# Altium PCB PCB2.PcbDoc (part 4 of 16)
Units mil, origin at the board's own origin, x right, y up, seen from the top; angles counter-clockwise.
Board outline 9200.79 x 4350.6 mil, 4 copper layers (Top Layer, Layer 1, Layer 2, Bottom Layer), stack 23.756 mil thick; 1249 components, 1355 nets, 4549 pads, 1316 vias.
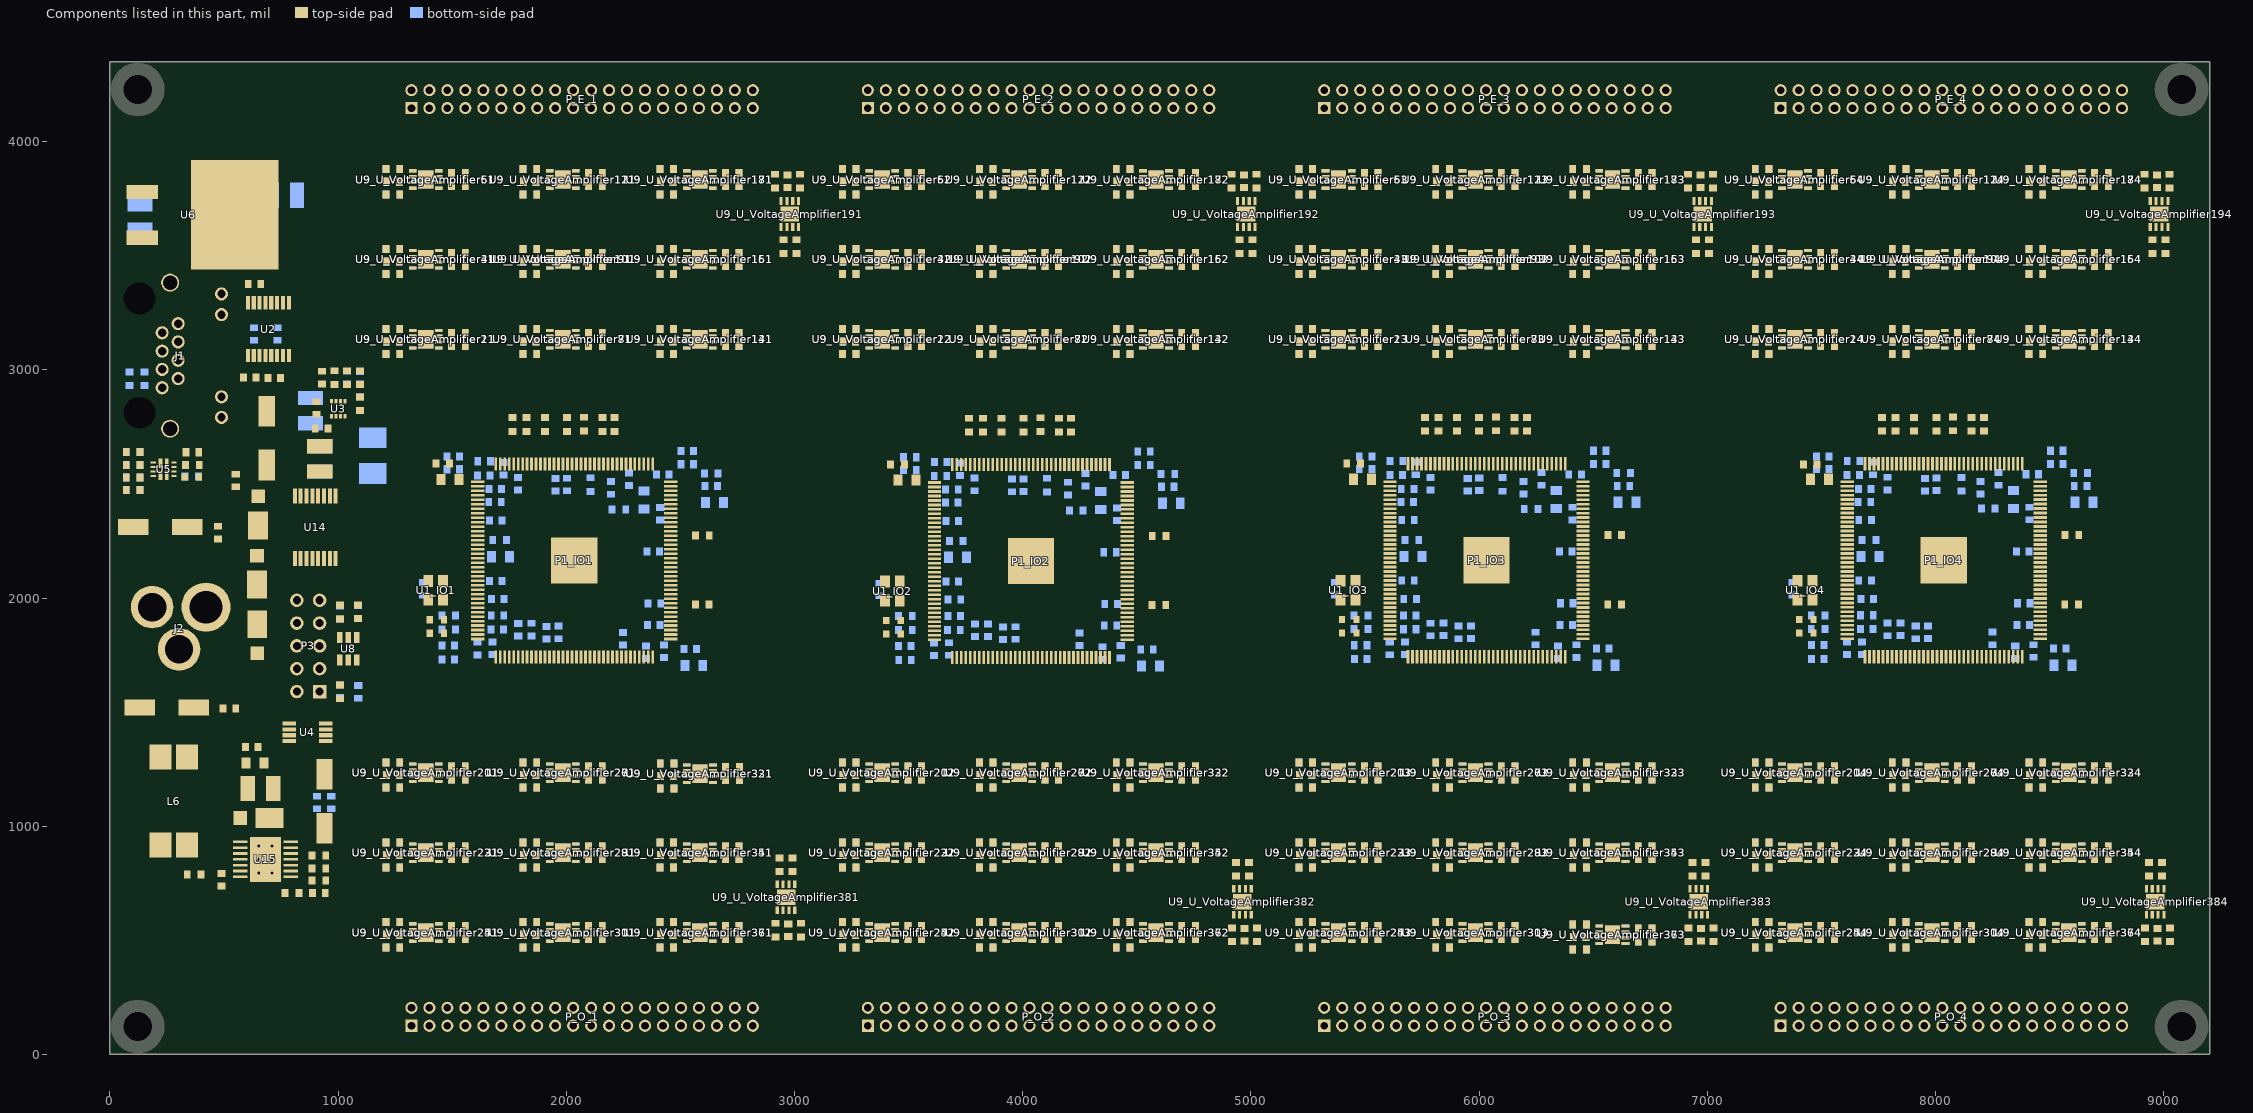
[diagram p6: the components of this part, seen from the top]

## Components (designator, comment, footprint, x,y, rotation, side; value= is the part's Value field where it differs from the comment) (continued)
R28_U_VoltageAmplifier131 "1K" 0603R 2727.09,3162.18 r0 top (schematic designator R28)
R28_U_VoltageAmplifier132 "1K" 0603R 4727.09,3162.18 r0 top (schematic designator R28)
R28_U_VoltageAmplifier133 "1K" 0603R 6727.09,3162.18 r0 top (schematic designator R28)
R28_U_VoltageAmplifier134 "1K" 0603R 8727.09,3162.18 r0 top (schematic designator R28)
R28_U_VoltageAmplifier141 "1K" 0603R 2727.09,3105.18 r0 bottom (schematic designator R28)
R28_U_VoltageAmplifier142 "1K" 0603R 4727.09,3105.18 r0 bottom (schematic designator R28)
R28_U_VoltageAmplifier143 "1K" 0603R 6727.09,3105.18 r0 bottom (schematic designator R28)
R28_U_VoltageAmplifier144 "1K" 0603R 8727.09,3105.18 r0 bottom (schematic designator R28)
R28_U_VoltageAmplifier151 "1K" 0603R 2727.09,3512.18 r0 top (schematic designator R28)
R28_U_VoltageAmplifier152 "1K" 0603R 4727.09,3512.18 r0 top (schematic designator R28)
R28_U_VoltageAmplifier153 "1K" 0603R 6727.09,3512.18 r0 top (schematic designator R28)
R28_U_VoltageAmplifier154 "1K" 0603R 8727.09,3512.18 r0 top (schematic designator R28)
R28_U_VoltageAmplifier161 "1K" 0603R 2727.09,3455.18 r0 bottom (schematic designator R28)
R28_U_VoltageAmplifier162 "1K" 0603R 4727.09,3455.18 r0 bottom (schematic designator R28)
R28_U_VoltageAmplifier163 "1K" 0603R 6727.09,3455.18 r0 bottom (schematic designator R28)
R28_U_VoltageAmplifier164 "1K" 0603R 8727.09,3455.18 r0 bottom (schematic designator R28)
R28_U_VoltageAmplifier171 "1K" 0603R 2727.09,3862.18 r0 top (schematic designator R28)
R28_U_VoltageAmplifier172 "1K" 0603R 4727.09,3862.18 r0 top (schematic designator R28)
R28_U_VoltageAmplifier173 "1K" 0603R 6727.09,3862.18 r0 top (schematic designator R28)
R28_U_VoltageAmplifier174 "1K" 0603R 8727.09,3862.18 r0 top (schematic designator R28)
R28_U_VoltageAmplifier181 "1K" 0603R 2727.09,3805.18 r0 bottom (schematic designator R28)
R28_U_VoltageAmplifier182 "1K" 0603R 4727.09,3805.18 r0 bottom (schematic designator R28)
R28_U_VoltageAmplifier183 "1K" 0603R 6727.09,3805.18 r0 bottom (schematic designator R28)
R28_U_VoltageAmplifier184 "1K" 0603R 8727.09,3805.18 r0 bottom (schematic designator R28)
R28_U_VoltageAmplifier191 "1K" 0603R 3007.85,3539.76 r270 top (schematic designator R28)
R28_U_VoltageAmplifier192 "1K" 0603R 5007.85,3539.76 r270 top (schematic designator R28)
R28_U_VoltageAmplifier193 "1K" 0603R 7007.85,3539.76 r270 top (schematic designator R28)
R28_U_VoltageAmplifier194 "1K" 0603R 9007.85,3539.76 r270 top (schematic designator R28)
R28_U_VoltageAmplifier201 "1K" 0603R 1527.09,1262.18 r0 top (schematic designator R28)
R28_U_VoltageAmplifier202 "1K" 0603R 3527.09,1262.18 r0 top (schematic designator R28)
R28_U_VoltageAmplifier203 "1K" 0603R 5527.09,1262.18 r0 top (schematic designator R28)
R28_U_VoltageAmplifier204 "1K" 0603R 7527.09,1262.18 r0 top (schematic designator R28)
R28_U_VoltageAmplifier211 "1K" 0603R 1527.09,1205.18 r0 bottom (schematic designator R28)
R28_U_VoltageAmplifier212 "1K" 0603R 3527.09,1205.18 r0 bottom (schematic designator R28)
R28_U_VoltageAmplifier213 "1K" 0603R 5527.09,1205.18 r0 bottom (schematic designator R28)
R28_U_VoltageAmplifier214 "1K" 0603R 7527.09,1205.18 r0 bottom (schematic designator R28)
R28_U_VoltageAmplifier221 "1K" 0603R 1527.09,912.18 r0 top (schematic designator R28)
R28_U_VoltageAmplifier222 "1K" 0603R 3527.09,912.18 r0 top (schematic designator R28)
R28_U_VoltageAmplifier223 "1K" 0603R 5527.09,912.18 r0 top (schematic designator R28)
R28_U_VoltageAmplifier224 "1K" 0603R 7527.09,912.18 r0 top (schematic designator R28)
R28_U_VoltageAmplifier231 "1K" 0603R 1527.09,855.18 r0 bottom (schematic designator R28)
R28_U_VoltageAmplifier232 "1K" 0603R 3527.09,855.18 r0 bottom (schematic designator R28)
R28_U_VoltageAmplifier233 "1K" 0603R 5527.09,855.18 r0 bottom (schematic designator R28)
R28_U_VoltageAmplifier234 "1K" 0603R 7527.09,855.18 r0 bottom (schematic designator R28)
R28_U_VoltageAmplifier241 "1K" 0603R 1527.09,562.18 r0 top (schematic designator R28)
R28_U_VoltageAmplifier242 "1K" 0603R 3527.09,562.18 r0 top (schematic designator R28)
R28_U_VoltageAmplifier243 "1K" 0603R 5527.09,562.18 r0 top (schematic designator R28)
R28_U_VoltageAmplifier244 "1K" 0603R 7527.09,562.18 r0 top (schematic designator R28)
R28_U_VoltageAmplifier251 "1K" 0603R 1527.09,505.18 r0 bottom (schematic designator R28)
R28_U_VoltageAmplifier252 "1K" 0603R 3527.09,505.18 r0 bottom (schematic designator R28)
R28_U_VoltageAmplifier253 "1K" 0603R 5527.09,505.18 r0 bottom (schematic designator R28)
R28_U_VoltageAmplifier254 "1K" 0603R 7527.09,505.18 r0 bottom (schematic designator R28)
R28_U_VoltageAmplifier261 "1K" 0603R 2127.09,1262.18 r0 top (schematic designator R28)
R28_U_VoltageAmplifier262 "1K" 0603R 4127.09,1262.18 r0 top (schematic designator R28)
R28_U_VoltageAmplifier263 "1K" 0603R 6127.09,1262.18 r0 top (schematic designator R28)
R28_U_VoltageAmplifier264 "1K" 0603R 8127.09,1262.18 r0 top (schematic designator R28)
R28_U_VoltageAmplifier271 "1K" 0603R 2127.09,1205.18 r0 bottom (schematic designator R28)
R28_U_VoltageAmplifier272 "1K" 0603R 4127.09,1205.18 r0 bottom (schematic designator R28)
R28_U_VoltageAmplifier273 "1K" 0603R 6127.09,1205.18 r0 bottom (schematic designator R28)
R28_U_VoltageAmplifier274 "1K" 0603R 8127.09,1205.18 r0 bottom (schematic designator R28)
R28_U_VoltageAmplifier281 "1K" 0603R 2127.09,912.18 r0 top (schematic designator R28)
R28_U_VoltageAmplifier282 "1K" 0603R 4127.09,912.18 r0 top (schematic designator R28)
R28_U_VoltageAmplifier283 "1K" 0603R 6127.09,912.18 r0 top (schematic designator R28)
R28_U_VoltageAmplifier284 "1K" 0603R 8127.09,912.18 r0 top (schematic designator R28)
R28_U_VoltageAmplifier291 "1K" 0603R 2127.09,855.18 r0 bottom (schematic designator R28)
R28_U_VoltageAmplifier292 "1K" 0603R 4127.09,855.18 r0 bottom (schematic designator R28)
R28_U_VoltageAmplifier293 "1K" 0603R 6127.09,855.18 r0 bottom (schematic designator R28)
R28_U_VoltageAmplifier294 "1K" 0603R 8127.09,855.18 r0 bottom (schematic designator R28)
R28_U_VoltageAmplifier301 "1K" 0603R 2127.09,562.18 r0 top (schematic designator R28)
R28_U_VoltageAmplifier302 "1K" 0603R 4127.09,562.18 r0 top (schematic designator R28)
R28_U_VoltageAmplifier303 "1K" 0603R 6127.09,562.18 r0 top (schematic designator R28)
R28_U_VoltageAmplifier304 "1K" 0603R 8127.09,562.18 r0 top (schematic designator R28)
R28_U_VoltageAmplifier311 "1K" 0603R 2127.09,505.18 r0 bottom (schematic designator R28)
R28_U_VoltageAmplifier312 "1K" 0603R 4127.09,505.18 r0 bottom (schematic designator R28)
R28_U_VoltageAmplifier313 "1K" 0603R 6127.09,505.18 r0 bottom (schematic designator R28)
R28_U_VoltageAmplifier314 "1K" 0603R 8127.09,505.18 r0 bottom (schematic designator R28)
R28_U_VoltageAmplifier321 "1K" 0603R 2728.26,1258.59 r0 top (schematic designator R28)
R28_U_VoltageAmplifier322 "1K" 0603R 4727.09,1262.18 r0 top (schematic designator R28)
R28_U_VoltageAmplifier323 "1K" 0603R 6727.09,1262.18 r0 top (schematic designator R28)
R28_U_VoltageAmplifier324 "1K" 0603R 8727.09,1262.18 r0 top (schematic designator R28)
R28_U_VoltageAmplifier331 "1K" 0603R 2728.26,1201.59 r0 bottom (schematic designator R28)
R28_U_VoltageAmplifier332 "1K" 0603R 4727.09,1205.18 r0 bottom (schematic designator R28)
R28_U_VoltageAmplifier333 "1K" 0603R 6727.09,1205.18 r0 bottom (schematic designator R28)
R28_U_VoltageAmplifier334 "1K" 0603R 8727.09,1205.18 r0 bottom (schematic designator R28)
R28_U_VoltageAmplifier341 "1K" 0603R 2727.09,912.18 r0 top (schematic designator R28)
R28_U_VoltageAmplifier342 "1K" 0603R 4727.09,912.18 r0 top (schematic designator R28)
R28_U_VoltageAmplifier343 "1K" 0603R 6727.09,912.18 r0 top (schematic designator R28)
R28_U_VoltageAmplifier344 "1K" 0603R 8727.09,912.18 r0 top (schematic designator R28)
R28_U_VoltageAmplifier351 "1K" 0603R 2727.09,855.18 r0 bottom (schematic designator R28)
R28_U_VoltageAmplifier352 "1K" 0603R 4727.09,855.18 r0 bottom (schematic designator R28)
R28_U_VoltageAmplifier353 "1K" 0603R 6727.09,855.18 r0 bottom (schematic designator R28)
R28_U_VoltageAmplifier354 "1K" 0603R 8727.09,855.18 r0 bottom (schematic designator R28)
R28_U_VoltageAmplifier361 "1K" 0603R 2727.09,562.18 r0 top (schematic designator R28)
R28_U_VoltageAmplifier362 "1K" 0603R 4727.09,562.18 r0 top (schematic designator R28)
R28_U_VoltageAmplifier363 "1K" 0603R 6727.09,552.18 r0 top (schematic designator R28)
R28_U_VoltageAmplifier364 "1K" 0603R 8727.09,562.18 r0 top (schematic designator R28)
R28_U_VoltageAmplifier371 "1K" 0603R 2727.09,505.18 r0 bottom (schematic designator R28)
R28_U_VoltageAmplifier372 "1K" 0603R 4727.09,505.18 r0 bottom (schematic designator R28)
R28_U_VoltageAmplifier373 "1K" 0603R 6727.09,495.18 r0 bottom (schematic designator R28)
R28_U_VoltageAmplifier374 "1K" 0603R 8727.09,505.18 r0 bottom (schematic designator R28)
R28_U_VoltageAmplifier381 "1K" 0603R 2934.67,831.42 r90 top (schematic designator R28)
R28_U_VoltageAmplifier382 "1K" 0603R 4934.67,811.42 r90 top (schematic designator R28)
R28_U_VoltageAmplifier383 "1K" 0603R 6934.67,811.42 r90 top (schematic designator R28)
R28_U_VoltageAmplifier384 "1K" 0603R 8934.67,811.42 r90 top (schematic designator R28)
R29_U_VoltageAmplifier11 "160R" 0603R 1240.09,3179.18 r0 top (schematic designator R29)
R29_U_VoltageAmplifier12 "160R" 0603R 3240.09,3179.18 r0 top (schematic designator R29)
R29_U_VoltageAmplifier13 "160R" 0603R 5240.09,3179.18 r0 top (schematic designator R29)
R29_U_VoltageAmplifier14 "160R" 0603R 7240.09,3179.18 r0 top (schematic designator R29)
R29_U_VoltageAmplifier21 "160R" 0603R 1240.09,3069.18 r0 bottom (schematic designator R29)
R29_U_VoltageAmplifier22 "160R" 0603R 3240.09,3069.18 r0 bottom (schematic designator R29)
R29_U_VoltageAmplifier23 "160R" 0603R 5240.09,3069.18 r0 bottom (schematic designator R29)
R29_U_VoltageAmplifier24 "160R" 0603R 7240.09,3069.18 r0 bottom (schematic designator R29)
R29_U_VoltageAmplifier31 "160R" 0603R 1240.09,3529.18 r0 top (schematic designator R29)
R29_U_VoltageAmplifier32 "160R" 0603R 3240.09,3529.18 r0 top (schematic designator R29)
R29_U_VoltageAmplifier33 "160R" 0603R 5240.09,3529.18 r0 top (schematic designator R29)
R29_U_VoltageAmplifier34 "160R" 0603R 7240.09,3529.18 r0 top (schematic designator R29)
R29_U_VoltageAmplifier41 "160R" 0603R 1240.09,3419.18 r0 bottom (schematic designator R29)
R29_U_VoltageAmplifier42 "160R" 0603R 3240.09,3419.18 r0 bottom (schematic designator R29)
R29_U_VoltageAmplifier43 "160R" 0603R 5240.09,3419.18 r0 bottom (schematic designator R29)
R29_U_VoltageAmplifier44 "160R" 0603R 7240.09,3419.18 r0 bottom (schematic designator R29)
R29_U_VoltageAmplifier51 "160R" 0603R 1240.09,3879.18 r0 top (schematic designator R29)
R29_U_VoltageAmplifier52 "160R" 0603R 3240.09,3879.18 r0 top (schematic designator R29)
R29_U_VoltageAmplifier53 "160R" 0603R 5240.09,3879.18 r0 top (schematic designator R29)
R29_U_VoltageAmplifier54 "160R" 0603R 7240.09,3879.18 r0 top (schematic designator R29)
R29_U_VoltageAmplifier61 "160R" 0603R 1240.09,3769.18 r0 bottom (schematic designator R29)
R29_U_VoltageAmplifier62 "160R" 0603R 3240.09,3769.18 r0 bottom (schematic designator R29)
R29_U_VoltageAmplifier63 "160R" 0603R 5240.09,3769.18 r0 bottom (schematic designator R29)
R29_U_VoltageAmplifier64 "160R" 0603R 7240.09,3769.18 r0 bottom (schematic designator R29)
R29_U_VoltageAmplifier71 "160R" 0603R 1840.09,3179.18 r0 top (schematic designator R29)
R29_U_VoltageAmplifier72 "160R" 0603R 3840.09,3179.18 r0 top (schematic designator R29)
R29_U_VoltageAmplifier73 "160R" 0603R 5840.09,3179.18 r0 top (schematic designator R29)
R29_U_VoltageAmplifier74 "160R" 0603R 7840.09,3179.18 r0 top (schematic designator R29)
R29_U_VoltageAmplifier81 "160R" 0603R 1840.09,3069.18 r0 bottom (schematic designator R29)
R29_U_VoltageAmplifier82 "160R" 0603R 3840.09,3069.18 r0 bottom (schematic designator R29)
R29_U_VoltageAmplifier83 "160R" 0603R 5840.09,3069.18 r0 bottom (schematic designator R29)
R29_U_VoltageAmplifier84 "160R" 0603R 7840.09,3069.18 r0 bottom (schematic designator R29)
R29_U_VoltageAmplifier91 "160R" 0603R 1840.09,3529.18 r0 top (schematic designator R29)
R29_U_VoltageAmplifier92 "160R" 0603R 3840.09,3529.18 r0 top (schematic designator R29)
R29_U_VoltageAmplifier93 "160R" 0603R 5840.09,3529.18 r0 top (schematic designator R29)
R29_U_VoltageAmplifier94 "160R" 0603R 7840.09,3529.18 r0 top (schematic designator R29)
R29_U_VoltageAmplifier101 "160R" 0603R 1840.09,3419.18 r0 bottom (schematic designator R29)
R29_U_VoltageAmplifier102 "160R" 0603R 3840.09,3419.18 r0 bottom (schematic designator R29)
R29_U_VoltageAmplifier103 "160R" 0603R 5840.09,3419.18 r0 bottom (schematic designator R29)
R29_U_VoltageAmplifier104 "160R" 0603R 7840.09,3419.18 r0 bottom (schematic designator R29)
R29_U_VoltageAmplifier111 "160R" 0603R 1840.09,3879.18 r0 top (schematic designator R29)
R29_U_VoltageAmplifier112 "160R" 0603R 3840.09,3879.18 r0 top (schematic designator R29)
R29_U_VoltageAmplifier113 "160R" 0603R 5840.09,3879.18 r0 top (schematic designator R29)
R29_U_VoltageAmplifier114 "160R" 0603R 7840.09,3879.18 r0 top (schematic designator R29)
R29_U_VoltageAmplifier121 "160R" 0603R 1840.09,3769.18 r0 bottom (schematic designator R29)
R29_U_VoltageAmplifier122 "160R" 0603R 3840.09,3769.18 r0 bottom (schematic designator R29)
R29_U_VoltageAmplifier123 "160R" 0603R 5840.09,3769.18 r0 bottom (schematic designator R29)
R29_U_VoltageAmplifier124 "160R" 0603R 7840.09,3769.18 r0 bottom (schematic designator R29)
R29_U_VoltageAmplifier131 "160R" 0603R 2440.09,3179.18 r0 top (schematic designator R29)
R29_U_VoltageAmplifier132 "160R" 0603R 4440.09,3179.18 r0 top (schematic designator R29)
R29_U_VoltageAmplifier133 "160R" 0603R 6440.09,3179.18 r0 top (schematic designator R29)
R29_U_VoltageAmplifier134 "160R" 0603R 8440.09,3179.18 r0 top (schematic designator R29)
R29_U_VoltageAmplifier141 "160R" 0603R 2440.09,3069.18 r0 bottom (schematic designator R29)
R29_U_VoltageAmplifier142 "160R" 0603R 4440.09,3069.18 r0 bottom (schematic designator R29)
R29_U_VoltageAmplifier143 "160R" 0603R 6440.09,3069.18 r0 bottom (schematic designator R29)
R29_U_VoltageAmplifier144 "160R" 0603R 8440.09,3069.18 r0 bottom (schematic designator R29)
R29_U_VoltageAmplifier151 "160R" 0603R 2440.09,3529.18 r0 top (schematic designator R29)
R29_U_VoltageAmplifier152 "160R" 0603R 4440.09,3529.18 r0 top (schematic designator R29)
R29_U_VoltageAmplifier153 "160R" 0603R 6440.09,3529.18 r0 top (schematic designator R29)
R29_U_VoltageAmplifier154 "160R" 0603R 8440.09,3529.18 r0 top (schematic designator R29)
R29_U_VoltageAmplifier161 "160R" 0603R 2440.09,3419.18 r0 bottom (schematic designator R29)
R29_U_VoltageAmplifier162 "160R" 0603R 4440.09,3419.18 r0 bottom (schematic designator R29)
R29_U_VoltageAmplifier163 "160R" 0603R 6440.09,3419.18 r0 bottom (schematic designator R29)
R29_U_VoltageAmplifier164 "160R" 0603R 8440.09,3419.18 r0 bottom (schematic designator R29)
R29_U_VoltageAmplifier171 "160R" 0603R 2440.09,3879.18 r0 top (schematic designator R29)
R29_U_VoltageAmplifier172 "160R" 0603R 4440.09,3879.18 r0 top (schematic designator R29)
R29_U_VoltageAmplifier173 "160R" 0603R 6440.09,3879.18 r0 top (schematic designator R29)
R29_U_VoltageAmplifier174 "160R" 0603R 8440.09,3879.18 r0 top (schematic designator R29)
R29_U_VoltageAmplifier181 "160R" 0603R 2440.09,3769.18 r0 bottom (schematic designator R29)
R29_U_VoltageAmplifier182 "160R" 0603R 4440.09,3769.18 r0 bottom (schematic designator R29)
R29_U_VoltageAmplifier183 "160R" 0603R 6440.09,3769.18 r0 bottom (schematic designator R29)
R29_U_VoltageAmplifier184 "160R" 0603R 8440.09,3769.18 r0 bottom (schematic designator R29)
R29_U_VoltageAmplifier191 "160R" 0603R 3024.85,3826.76 r270 top (schematic designator R29)
R29_U_VoltageAmplifier192 "160R" 0603R 5024.85,3826.76 r270 top (schematic designator R29)
R29_U_VoltageAmplifier193 "160R" 0603R 7024.85,3826.76 r270 top (schematic designator R29)
R29_U_VoltageAmplifier194 "160R" 0603R 9024.85,3826.76 r270 top (schematic designator R29)
R29_U_VoltageAmplifier201 "160R" 0603R 1240.09,1279.18 r0 top (schematic designator R29)
R29_U_VoltageAmplifier202 "160R" 0603R 3240.09,1279.18 r0 top (schematic designator R29)
R29_U_VoltageAmplifier203 "160R" 0603R 5240.09,1279.18 r0 top (schematic designator R29)
R29_U_VoltageAmplifier204 "160R" 0603R 7240.09,1279.18 r0 top (schematic designator R29)
R29_U_VoltageAmplifier211 "160R" 0603R 1240.09,1169.18 r0 bottom (schematic designator R29)
R29_U_VoltageAmplifier212 "160R" 0603R 3240.09,1169.18 r0 bottom (schematic designator R29)
R29_U_VoltageAmplifier213 "160R" 0603R 5240.09,1169.18 r0 bottom (schematic designator R29)
R29_U_VoltageAmplifier214 "160R" 0603R 7240.09,1169.18 r0 bottom (schematic designator R29)
R29_U_VoltageAmplifier221 "160R" 0603R 1240.09,929.18 r0 top (schematic designator R29)
R29_U_VoltageAmplifier222 "160R" 0603R 3240.09,929.18 r0 top (schematic designator R29)
R29_U_VoltageAmplifier223 "160R" 0603R 5240.09,929.18 r0 top (schematic designator R29)
R29_U_VoltageAmplifier224 "160R" 0603R 7240.09,929.18 r0 top (schematic designator R29)
R29_U_VoltageAmplifier231 "160R" 0603R 1240.09,819.18 r0 bottom (schematic designator R29)
R29_U_VoltageAmplifier232 "160R" 0603R 3240.09,819.18 r0 bottom (schematic designator R29)
R29_U_VoltageAmplifier233 "160R" 0603R 5240.09,819.18 r0 bottom (schematic designator R29)
R29_U_VoltageAmplifier234 "160R" 0603R 7240.09,819.18 r0 bottom (schematic designator R29)
R29_U_VoltageAmplifier241 "160R" 0603R 1240.09,579.18 r0 top (schematic designator R29)
R29_U_VoltageAmplifier242 "160R" 0603R 3240.09,579.18 r0 top (schematic designator R29)
R29_U_VoltageAmplifier243 "160R" 0603R 5240.09,579.18 r0 top (schematic designator R29)
R29_U_VoltageAmplifier244 "160R" 0603R 7240.09,579.18 r0 top (schematic designator R29)
R29_U_VoltageAmplifier251 "160R" 0603R 1240.09,469.18 r0 bottom (schematic designator R29)
R29_U_VoltageAmplifier252 "160R" 0603R 3240.09,469.18 r0 bottom (schematic designator R29)
R29_U_VoltageAmplifier253 "160R" 0603R 5240.09,469.18 r0 bottom (schematic designator R29)
R29_U_VoltageAmplifier254 "160R" 0603R 7240.09,469.18 r0 bottom (schematic designator R29)
R29_U_VoltageAmplifier261 "160R" 0603R 1840.09,1279.18 r0 top (schematic designator R29)
R29_U_VoltageAmplifier262 "160R" 0603R 3840.09,1279.18 r0 top (schematic designator R29)
R29_U_VoltageAmplifier263 "160R" 0603R 5840.09,1279.18 r0 top (schematic designator R29)
R29_U_VoltageAmplifier264 "160R" 0603R 7840.09,1279.18 r0 top (schematic designator R29)
R29_U_VoltageAmplifier271 "160R" 0603R 1840.09,1169.18 r0 bottom (schematic designator R29)
R29_U_VoltageAmplifier272 "160R" 0603R 3840.09,1169.18 r0 bottom (schematic designator R29)
R29_U_VoltageAmplifier273 "160R" 0603R 5840.09,1169.18 r0 bottom (schematic designator R29)
R29_U_VoltageAmplifier274 "160R" 0603R 7840.09,1169.18 r0 bottom (schematic designator R29)
R29_U_VoltageAmplifier281 "160R" 0603R 1840.09,929.18 r0 top (schematic designator R29)
R29_U_VoltageAmplifier282 "160R" 0603R 3840.09,929.18 r0 top (schematic designator R29)
R29_U_VoltageAmplifier283 "160R" 0603R 5840.09,929.18 r0 top (schematic designator R29)
R29_U_VoltageAmplifier284 "160R" 0603R 7840.09,929.18 r0 top (schematic designator R29)
R29_U_VoltageAmplifier291 "160R" 0603R 1840.09,819.18 r0 bottom (schematic designator R29)
R29_U_VoltageAmplifier292 "160R" 0603R 3840.09,819.18 r0 bottom (schematic designator R29)
R29_U_VoltageAmplifier293 "160R" 0603R 5840.09,819.18 r0 bottom (schematic designator R29)
R29_U_VoltageAmplifier294 "160R" 0603R 7840.09,819.18 r0 bottom (schematic designator R29)
R29_U_VoltageAmplifier301 "160R" 0603R 1840.09,579.18 r0 top (schematic designator R29)
R29_U_VoltageAmplifier302 "160R" 0603R 3840.09,579.18 r0 top (schematic designator R29)
R29_U_VoltageAmplifier303 "160R" 0603R 5840.09,579.18 r0 top (schematic designator R29)
R29_U_VoltageAmplifier304 "160R" 0603R 7840.09,579.18 r0 top (schematic designator R29)
R29_U_VoltageAmplifier311 "160R" 0603R 1840.09,469.18 r0 bottom (schematic designator R29)
R29_U_VoltageAmplifier312 "160R" 0603R 3840.09,469.18 r0 bottom (schematic designator R29)
R29_U_VoltageAmplifier313 "160R" 0603R 5840.09,469.18 r0 bottom (schematic designator R29)
R29_U_VoltageAmplifier314 "160R" 0603R 7840.09,469.18 r0 bottom (schematic designator R29)
R29_U_VoltageAmplifier321 "160R" 0603R 2441.26,1275.59 r0 top (schematic designator R29)
R29_U_VoltageAmplifier322 "160R" 0603R 4440.09,1279.18 r0 top (schematic designator R29)
R29_U_VoltageAmplifier323 "160R" 0603R 6440.09,1279.18 r0 top (schematic designator R29)
R29_U_VoltageAmplifier324 "160R" 0603R 8440.09,1279.18 r0 top (schematic designator R29)
R29_U_VoltageAmplifier331 "160R" 0603R 2441.26,1165.59 r0 bottom (schematic designator R29)
R29_U_VoltageAmplifier332 "160R" 0603R 4440.09,1169.18 r0 bottom (schematic designator R29)
R29_U_VoltageAmplifier333 "160R" 0603R 6440.09,1169.18 r0 bottom (schematic designator R29)
R29_U_VoltageAmplifier334 "160R" 0603R 8440.09,1169.18 r0 bottom (schematic designator R29)